# Altium PCB MB.PcbDoc
Units mm, origin at the board's own origin, x right, y up, seen from the top; angles counter-clockwise.
Board outline 60.08 x 55.27 mm, 2 copper layers (Top Layer, Bottom Layer); 46 components, 39 nets, 147 pads, 82 vias.
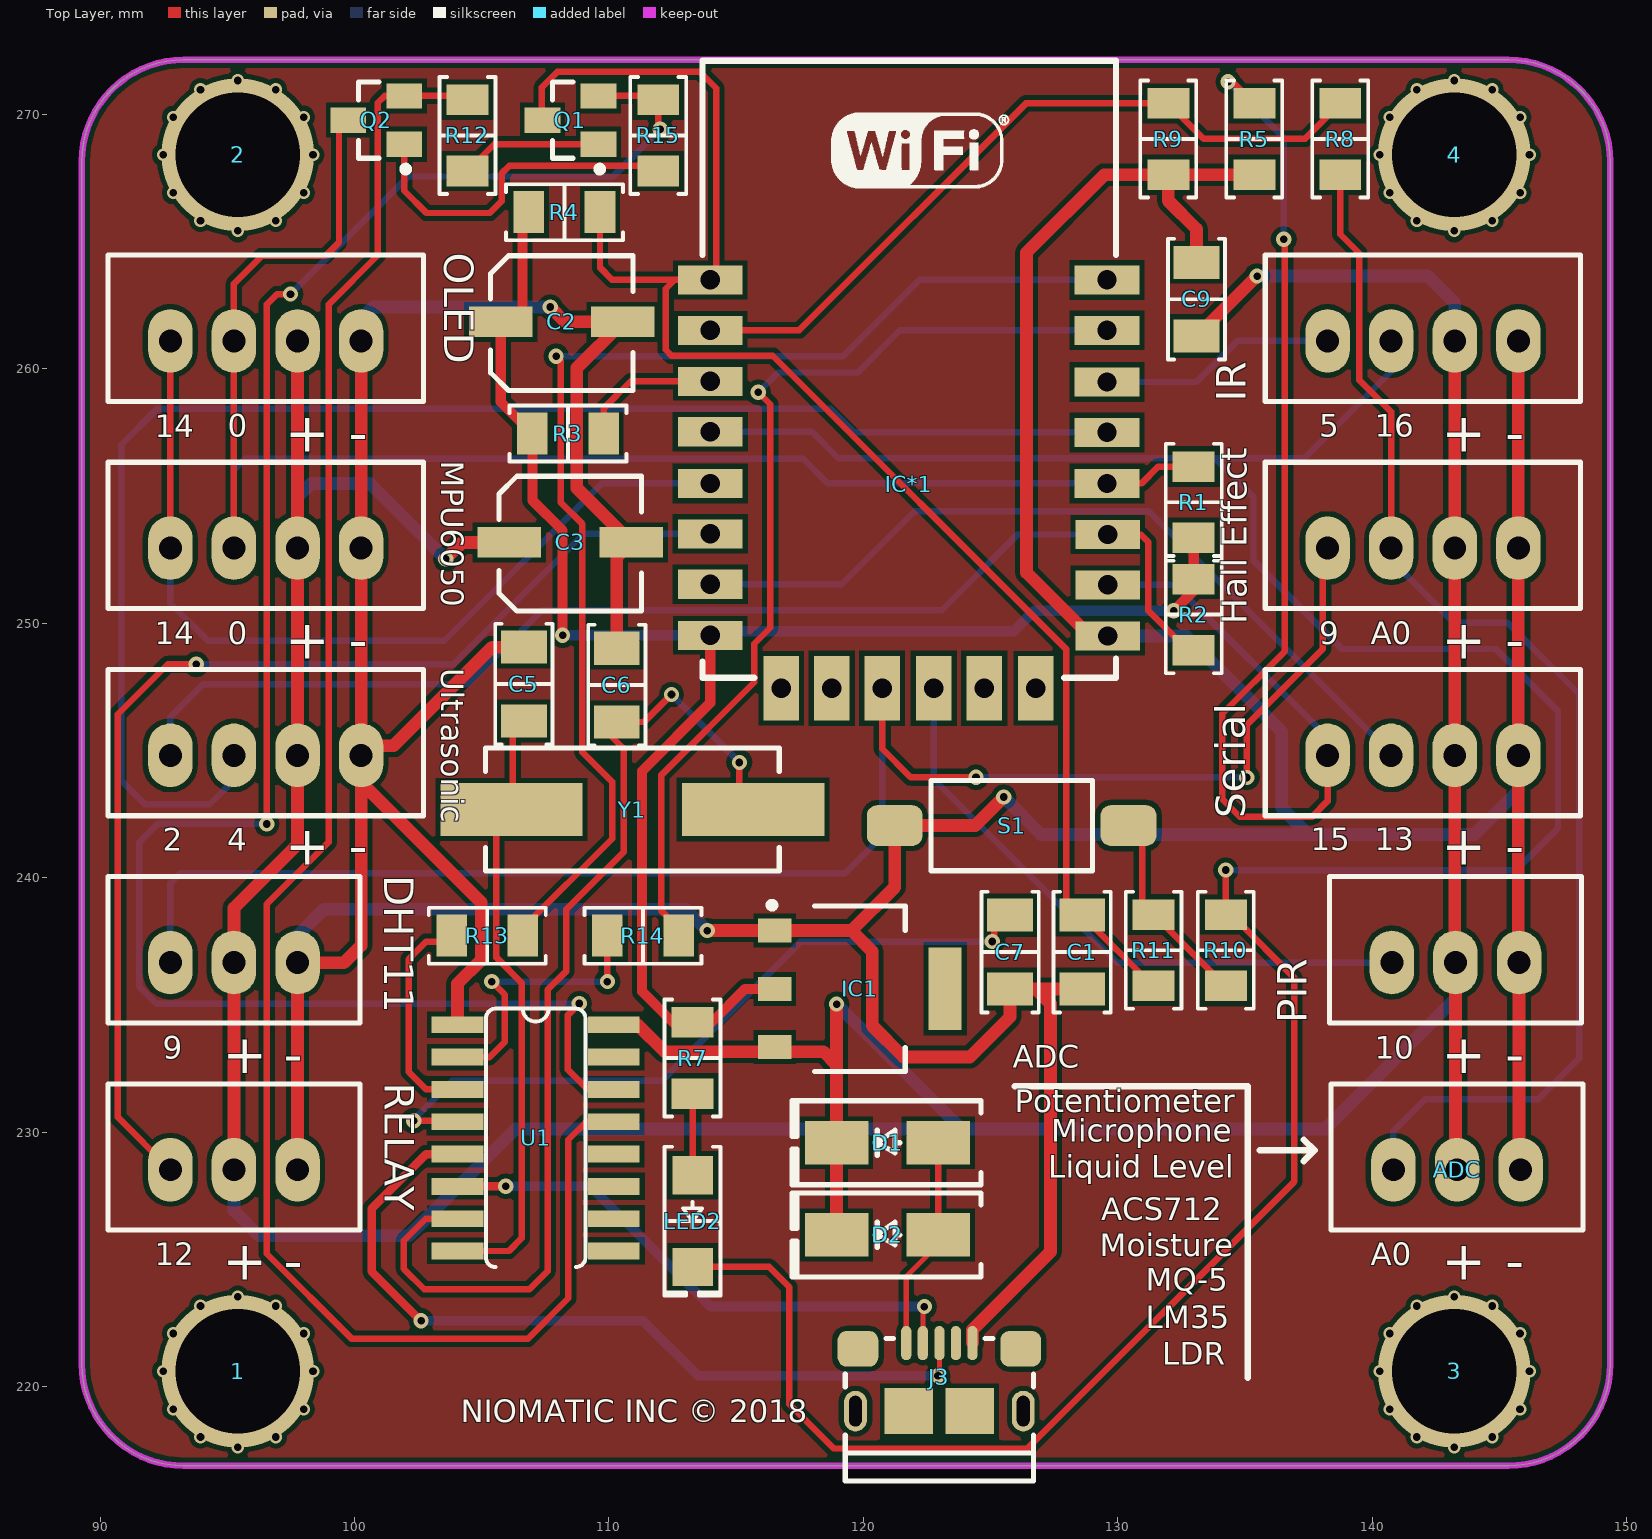
[diagram p0: Top Layer view]
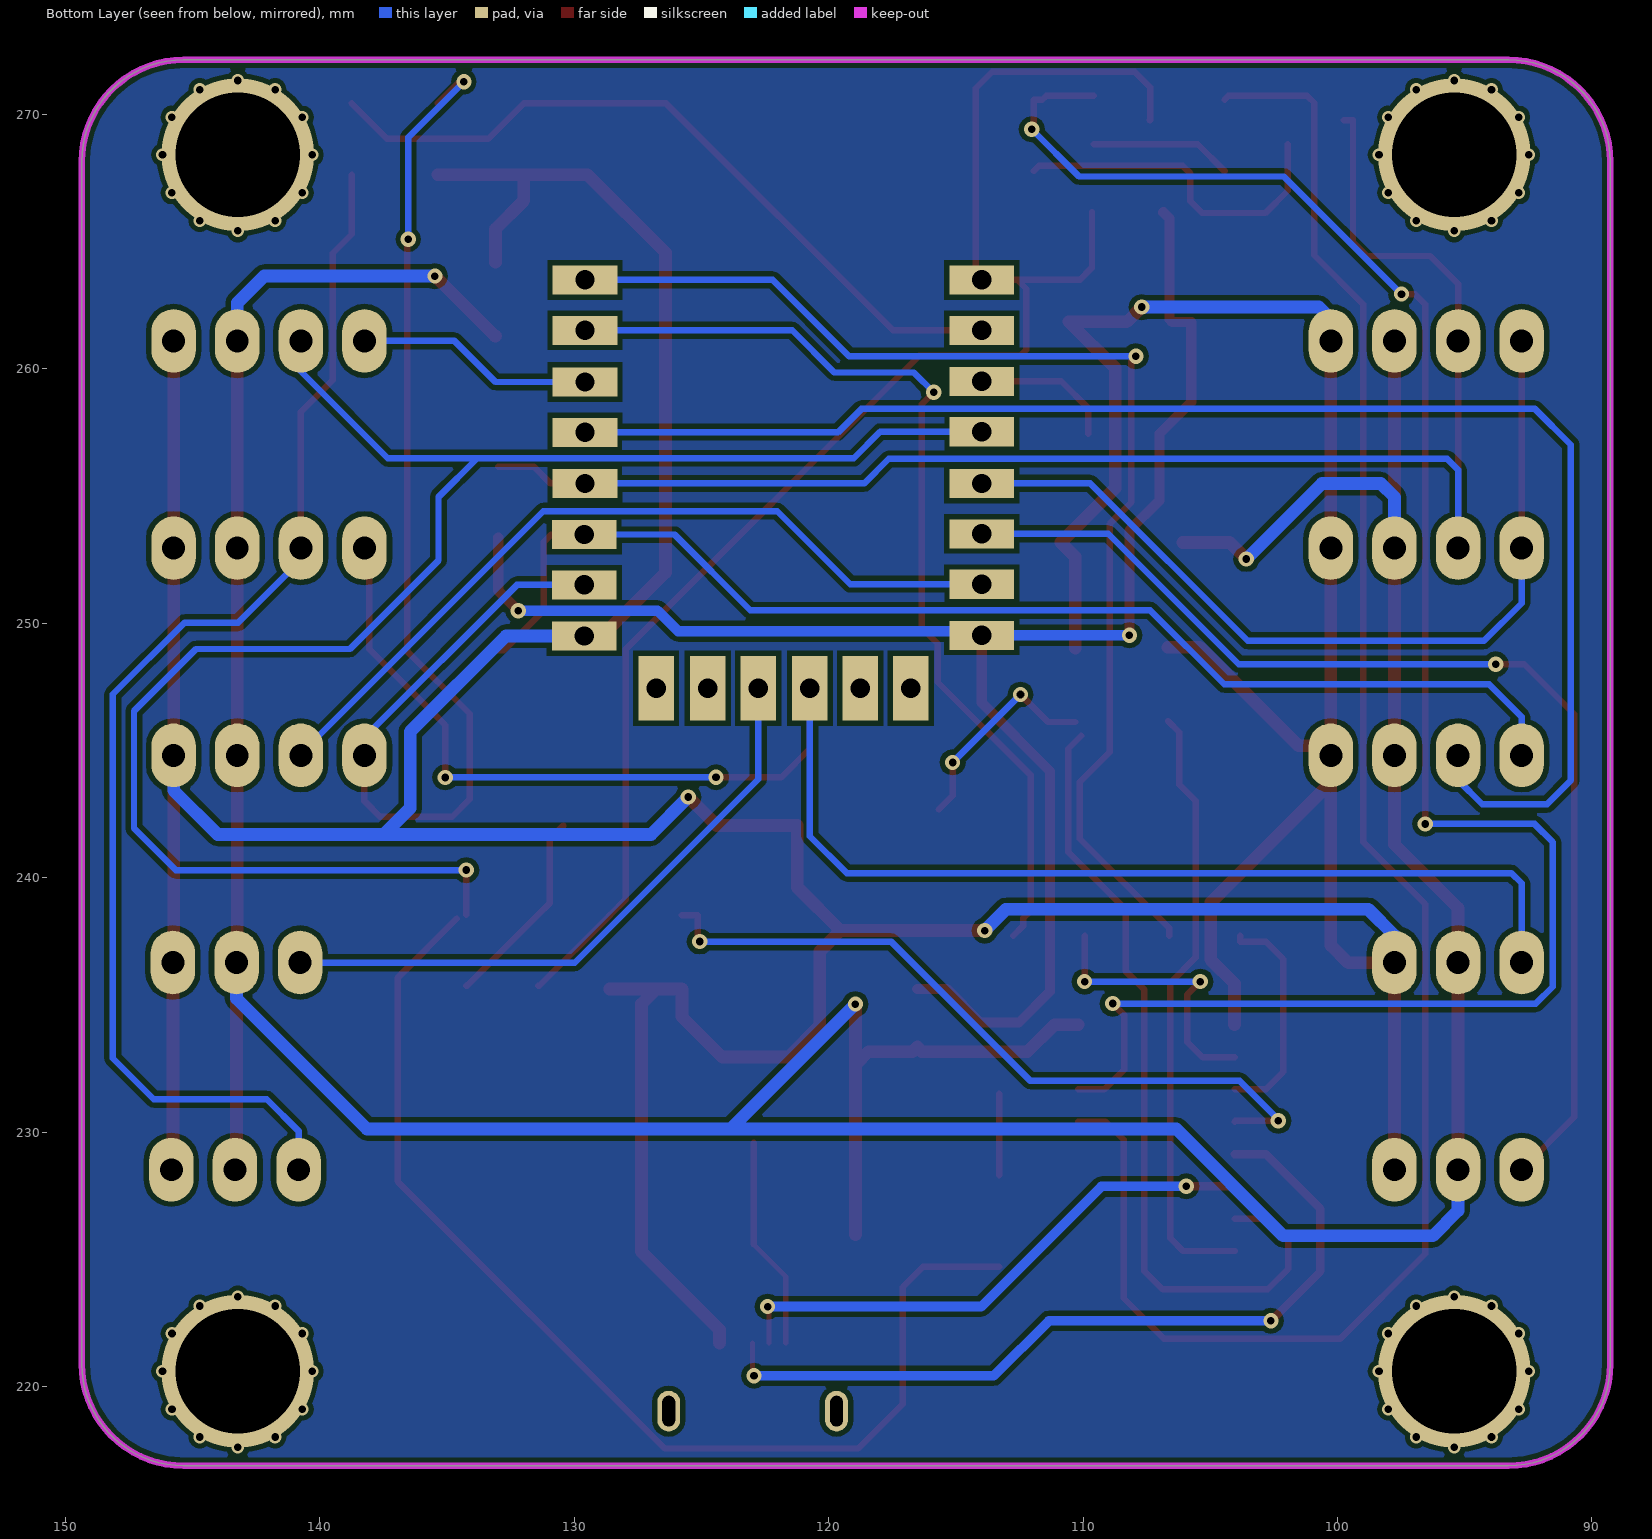
[diagram p1: Bottom Layer view, seen from below]
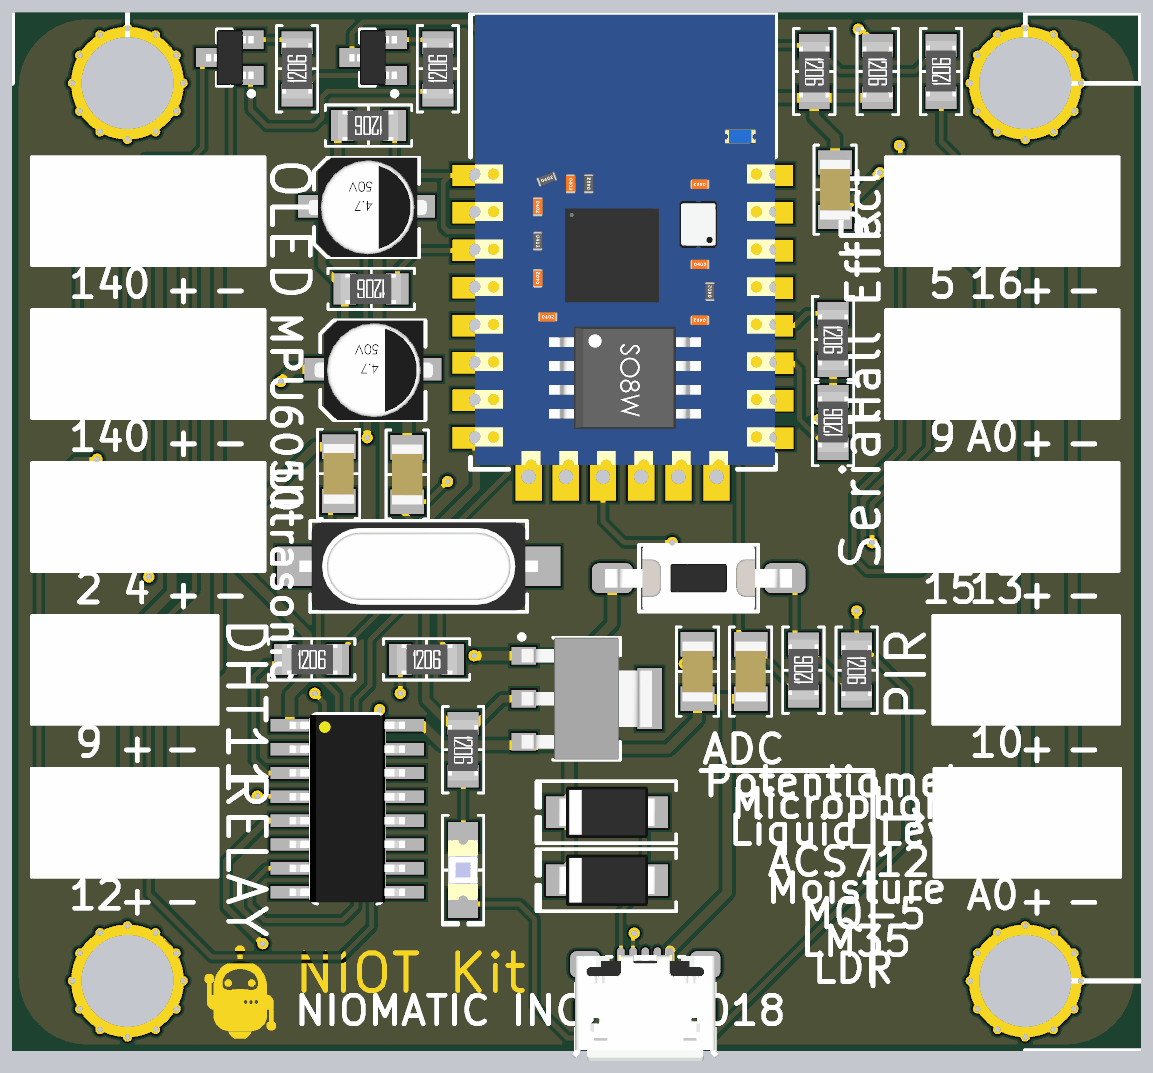
[diagram p2: 3D render of the assembled board from above, using the file's embedded part models]

## Layer stack, top to bottom
Top Solder: solder mask 0.0102, Solder Resist, Dk 3.5
Top Layer: signal copper 0.0356
Dielectric 1: dielectric 0.32, FR-4, Dk 4.8
Bottom Layer: signal copper 0.0356
Bottom Solder: solder mask 0.0102, Solder Resist, Dk 3.5

## Board outline
89.281,220.88 89.281,268.15 cw(c93.281,268.15) 93.281,272.15 145.36,272.15 cw(c145.36,268.15) 149.36,268.15 149.36,220.88 cw(c145.36,220.88) 145.36,216.88 93.281,216.88 cw(c93.281,220.88)

## Design rules (kind name [scope] priority, off if disabled: settings)
Clearance [All] p1: gap=0.2 ignorepadtopadclearanceinfootprint=FALSE
DiffPairsRouting [All] p1: maxlimit=0.254 minlimit=0.254 mostfreqgap=0.254 toplayer_minwidth=0.381 toplayer_maxwidth=0.381 toplayer_prefwidth=0.381 bottomlayer_minwidth=0.381 bottomlayer_maxwidth=0.381 bottomlayer_prefwidth=0.381 maxuncoupledlength=12.7
PolygonConnect [All] p1: connectstyle=Relief reliefconductorwidth=0.254 reliefentries=4 polygonreliefangle="90 Angle" airgapwidth=0.254
RoomDefinition MB [InComponentClass('MB')] p1: confinementstyle=ConfineIn formatcopy=TRUE lockcomponents=FALSE outline 124.943,58.154 144.247,58.154 144.247,75.807 124.943,75.807
RoutingVias [All] p1: holewidth=0.3 width=0.6 viastyle="Through Hole" minholewidth=0.3 minwidth=0.6 maxholewidth=0.3 maxwidth=0.6
SMDNeckDown [All] p1: percent=50.000
SolderMaskExpansion [All] p1: expansion=0.102
UnConnectedPin [All] p1:
UnRoutedNet [All] p1: checkbadconnections=TRUE
Width [InNet('GND')] p1: maxlimit=0.3 minlimit=0.3 preferedwidth=0.3
Width Width_1 [InNet('VDD5V')] p2: maxlimit=0.3 minlimit=0.3 preferedwidth=0.3
Width Width_2 [InNet('VDD3V3')] p3: maxlimit=0.3 minlimit=0.3 preferedwidth=0.3
Width Width_3 [InNet('No Net')] p4: maxlimit=0.2 minlimit=0.2 preferedwidth=0.2
28 further rules are at their usual default settings.

## Classes and differential pairs
differential pair D: +D_P -D_N

## Components (designator, comment, footprint, x,y, rotation, side; value= is the part's Value field where it differs from the comment)
1 "Lego" "Lego Hole" 95.41,220.6 r90 top
2 "Lego" "Lego Hole" 95.41,268.417 r90 top
3 "Lego" "Lego Hole" 143.23,220.6 r90 top
4 "Lego" "Lego Hole" 143.23,268.417 r90 top
ADC "ADC" "JST XH B3B-XH-A" 143.342,228.52 r180 top
C1 "470pF" "CAP 1206/3216" 128.605,237.075 r90 top value=0.1uF
C2 "100uF" "CAP ALUM 5MM" 107.95,261.85 r0 top value=10uF
C3 "10uF" "CAP ALUM 5MM" 108.28,253.18 r0 top
C5 "22pF" "CAP 1206/3216" 106.66,247.61 r270 top value=0.1uF
C6 "22pF" "CAP 1206/3216" 110.31,247.57 r270 top value=0.1uF
C7 "100nF" "CAP 1206/3216" 125.77,237.075 r90 top value=0.1uF
C9 "100nF" "CAP 1206/3216" 133.1,262.74 r270 top value=0.1uF
D1 "1N5819/SS14/S4" "DO214AC SMA" 120.95,229.58 r180 top
D2 "1N4007/M7(DO-214AC)" "DO214AC SMA" 120.95,225.96 r180 top
DHT11 "DHT11" "JST XH B3B-XH-A" 95.26,236.665 r180 top
"Hall Effect" "Hall" "JST XH B4B-XH-A" 142.002,252.955 r180 top (schematic designator Hall)
IC1 "AMS1117 - 3.3V" AMS1117 119.87,235.63 r0 top
IC*1 "ESP8266 ESP-12-E" "ESP8266 ESP-12-E" 130.57,247.09 r0 top
IR "IR" "JST XH B4B-XH-A" 142.002,261.1 r180 top
J3 "USB Micro" "FCI USB 10118193-0001LF" 122.99,219.08 r180 top
LED2 "RED" "LED 1206/3216 BLUE" 113.29,226.5 r270 top value=Green
MPU6050 "MPU6050" "JST XH B4B-XH-A" 96.51,252.955 r180 top
OLED "OLED" "JST XH B4B-XH-A" 96.51,261.1 r180 top
PIR "PIR" "JST XH B3B-XH-A" 143.28,236.665 r180 top
Q1 "S8050" SOT23 108.49,269.78 r180 top
Q2 "S8050" SOT23 100.86,269.78 r180 top
R1 "12K" "RES 1206/3216" 132.99,254.76 r270 top value=1K
R2 "12K" "RES 1206/3216" 132.99,250.34 r90 top value=1K
R3 "12K" "RES 1206/3216" 108.39,257.46 r180 top value=1K
R4 "12K" "RES 1206/3216" 108.25,266.16 r180 top value=1K
R5 "12K" "RES 1206/3216" 135.37,269.035 r270 top value=1K
R7 "470R" "RES 1206/3216" 113.29,232.91 r270 top value=1K
R8 "220K (1%)" "RES 1206/3216" 138.75,269.035 r90 top value=1K
R9 "100K  (1%)" "RES 1206/3216" 131.99,269.035 r270 top value=1K
R10 "0(NC)" "RES 1206/3216" 134.25,237.15 r270 top value=1K
R11 "470R" "RES 1206/3216" 131.415,237.15 r90 top value=1K
R12 "12K" "RES 1206/3216" 104.44,269.18 r90 top value=1K
R13 "470R" "RES 1206/3216" 105.22,237.72 r0 top value=1K
R14 "470R" "RES 1206/3216" 111.34,237.72 r0 top value=1K
R15 "12K" "RES 1206/3216" 111.94,269.18 r90 top value=1K
RELAY "RELAY" "JST XH B3B-XH-A" 95.26,228.52 r180 top
S1 "But 2 PIN" "TE FSMSMTR" 125.83,242.05 r270 top
Serial "Serial" "JST XH B4B-XH-A" 142.002,244.81 r180 top
U1 "CH340" SO16 107.12,229.77 r270 top
Ultrasonic "Ultrasonic" "JST XH B4B-XH-A" 96.51,244.81 r180 top
Y1 "12Mhz" xtal 110.92,242.68 r0 top

## Footprints (in the part's own frame and the unit in brackets; to place one, negate y for a bottom-side part, rotate by r counter-clockwise, add the part's x,y. Pads: shape width x height; smd on the part's side, far side on the other; paste and mask are expansions set on the pad)
AMS1117 [mm]
  rect 1.3x0.95 smd: 1(-3.35,2.29) 2(-3.35,0) 3(-3.35,-2.29)
  rect 1.3x3.25 smd: ""(3.35,0)
  silkscreen extent -3.58,-3.25 1.78,3.41, body extent -3.47,-3.25 3.47,3.25, height 1.64
"CAP 1206/3216" [mm] "Chip Capacitor, 2-Leads, Body 3.25x1.60mm, IPC Medium Density"
  rect 1.3x1.8 smd: 1(-1.45,0) 2(1.45,0)
  silkscreen extent -2.37,-1.12 2.38,1.12, body extent -1.6,-0.81 1.6,0.81, height 1.62
"CAP ALUM 5MM" [mm] "Aluminum Electrolytic Capacitor, Body 6.60x6.60x7.70mm, IPC Low Density"
  rect 2.5x1.2 smd: 1(-2.2,0) 2(2.6,0)
  silkscreen extent -2.6,-2.7 3,2.6, body extent -2.9,-2.7 3.4,2.6, height 5.7
"DO214AC SMA" [mm] "Molded Diode, 2-Leads, Body 4.30x2.60mm, IPC Medium Density"
  rect 2.5x1.7 smd: 1(-2,0) 2(2,0)
  silkscreen extent -3.68,-1.65 3.75,1.65, body extent -2.6,-1.37 2.6,1.37, height 2.4
"ESP8266 ESP-12-E" [mil] "ESP8266 ESP-12-E"
  rect 100x45 hole 30: 1(-653,646) 2(-653,568) 3(-653,489) 4(-653,411) 5(-653,331) 6(-653,253) 7(-653,175) 8(-653,96) 15(-38,95) 16(-38,174) 17(-38,252) 18(-39,331) 19(-39,410) 20(-39,488) 21(-39,568) 22(-39,646)
  rect 55x100 hole 30: 9(-543,14) 10(-465,14) 11(-387,14) 12(-307,14) 13(-229,14) 14(-149,14)
  silkscreen extent -665,30 -25,985, body extent -656,39 -26,983
"FCI USB 10118193-0001LF" [mm] "USB 2.0 Type B Micro"
  oval 0.4x1.35 smd: 1(1.3,-2.625) 2(0.65,-2.625) 3(0,-2.625) 4(-0.65,-2.625) 5(-1.3,-2.625)
  oval 0.9x1.6 hole 0.5 slot 1.2 at 90 deg: S(-3.3,0.05) S(3.3,0.05)
  rrect50% 1.6x1.4 smd: S(-3.2,-2.4) S(3.2,-2.4)
  rect 1.9x1.8 smd: S(-1.2,0.05) S(1.2,0.05)
  silkscreen extent -3.7,-2.8 3.7,2.8, body extent -3.93,-2.9 3.93,2.76, height 2.78
"JST XH B3B-XH-A" [mm]
  oval 1.75x2.5 hole 0.9: 1(-2.5,0) 2(0,0) 3(2.5,0)
  silkscreen extent -4.95,-3.38 4.95,2.38, body extent -4.95,-3.38 4.95,2.38, height 7
"JST XH B4B-XH-A" [mm]
  oval 1.75x2.5 hole 0.9: 1(-3.75,0) 2(-1.25,0) 3(1.25,0) 4(3.75,0)
  silkscreen extent -6.2,-3.38 6.2,2.38, body extent -6.2,-3.38 6.2,2.38, height 7
"LED 1206/3216 BLUE" [mm] "Chip Diode, 2-Leads, Body 3.13x1.55mm, IPC Medium Density"
  rect 1.5x1.6 smd: 1(-1.8,0) 2(1.8,0)
  silkscreen extent -2.92,-1.1 2.92,1.1, body extent -1.6,-0.8 1.6,0.8, height 0.9
"Lego Hole" [mm]
"RES 1206/3216" [mm] "Chip Resistor, 2-Leads, Body 3.13x1.55mm, IPC Medium Density"
  rect 1.2x1.65 smd: 1(-1.4,0) 2(1.4,0)
  silkscreen extent -2.3,-1.1 2.3,1.1, body extent -1.57,-0.8 1.62,0.8, height 0.6
SO16 [mil]
  rect 26x80 smd: 1(-175,-121) 2(-125,-121) 3(-75,-121) 4(-25,-121) 5(25,-121) 6(75,-121) 7(125,-121) 8(175,-121) 9(175,121) 10(125,121) 11(75,121) 12(25,121) 13(-25,121) 14(-75,121) 15(-125,121) 16(-175,121)
  silkscreen extent -200,-77 200,77, body extent -196,-121 196,121, height 70
SOT23 [mm]
  rect 1.4x1 smd: B(-1.1,0.95) C(1.1,0) E(-1.1,-0.95)
  silkscreen extent -1.27,-1.5 0.7,2.05, body extent -1.27,-1.46 1.27,1.46, height 1
"TE FSMSMTR" [mm]
  rrect50% 1.6x2.19 smd: 1(0,4.595) 2(0,-4.595)
  silkscreen extent -1.78,-3.17 1.78,3.18, body extent -1.75,-4.98 1.75,4.98, height 4.42
xtal [mm] "Crystal, 2-Leads, Body 4.70x11.40mm, Pitch 8.80mm, IPC Medium Density"
  rect 5.6x2.1 smd: 1(-4.75,0) 2(4.75,0)
  silkscreen extent -5.77,-2.43 5.77,2.43, body extent -6.35,-2.35 6.35,2.35, height 4.2

## Part data
ADC DHT11 PIR RELAY: library part "3 Pin"
C1 C5 C6 C7 C9: library part Capacitor, "SMT Capacitor"
C2 C3: library part "Polarised Capacitor", "SMT Polarised Capacitor"
D1 D2: library part Diode, "Rectifier Diode"
"Hall Effect" IR MPU6050 OLED Serial Ultrasonic: library part "4 Pin"
IC1: library part AMS1117, Manufacturer_Name="Advanced Monolithic Systems", Manufacturer_Part_Number=ams1117-3.3v, Package=SOT229P700X180-4N, DeviceSetName=AMS1117-3.3V, GateName_1=G$1, Height=1.8mm, LibraryName=ams1117-3.3v, Supplier_Name=RS, SymbolName_1=AMS1117-3.3V
J3: library part "USB 2.0 Type B Micro"
LED2: library part LED, "Chip LED"
Q1 Q2: library part 2N2222, "NPN", De="Seyed Mohsen Ghasemian", E-mail=picpars@gmail.com, web=www.picpars.com
R1 R2 R3 R4 R5 R7 R8 R9 R10 R11 R12 R13 R14 R15: library part Resistor, "SMT Resistor"
U1: Package=None, Availability=Bad, MF="Eaton / Cutler Hammer", MP=CH340, Price="223.47 USD"
Y1: library part xtal, "SMT Crystal"

## Via types
v1: diameter 0.5, hole 0.3, Top Layer to Bottom Layer, 48 vias
v2: diameter 0.6, hole 0.3, Top Layer to Bottom Layer, 30 vias
v3: diameter 6, hole 4.9, Top Layer to Bottom Layer, 4 vias

## Nets (pads, with @x,y where several pads share a name; then routed paths per layer and width w, separated by ;. In a path a pad name is that pad's centre, name@x,y a point inside that pad or via, vN(x,y) a via of type N, cw(c..) or ccw(c..) an arc to the next point about the centre after c; other vN are vias at no path point)
ADC: IC*1.2 R8.2 R9.1 | length 29.6
  Top Layer w0.254: IC*1.2 117.475,261.517 126.393,270.435 R9.1 133.375,269.05 137.365,269.05 R8.2
ADC_EX: "Hall Effect.3" ADC.3 R8.1 | length 49.9
  Top Layer w0.254: R8.1 138.75,265.297 139.497,264.55 139.497,259.563 140.752,258.308 ; 140.752,252.955 140.752,258.308 ; 140.752,258.318 140.752,258.308
  Bottom Layer w0.254: 140.752,252.955 140.752,252.488 143.21,250.03 145.32,250.03 148.14,247.21 148.14,232.9 146.53,231.29 142.09,231.29 140.842,230.042 ADC.3
D_N: J3.2 U1.6 | length 21.8
  Top Layer w0.2: J3.2 v2@122.34,223.076
  Top Layer w0.33: U1.6 v2(105.943,227.865)
  Top Layer w0.381: v2@122.34,223.076 v2(122.403,223.139)
  Bottom Layer w0.381: v2(105.943,227.865) 109.275,227.865 114.001,223.139 v2(122.403,223.139)
D_P: J3.3 U1.5 | length 32
  Top Layer w0.2: v2(122.936,220.421) 122.99,220.475 J3.3
  Top Layer w0.33: v2(102.616,222.58) 100.67,224.526 100.67,226.986 102.819,229.135 U1.5
  Bottom Layer w0.381: v2(102.616,222.58) 111.35,222.58 113.509,220.421 v2(122.936,220.421)
EN: IC*1.3 R3.1 | length 5.6
  Top Layer w0.254: R3.1 109.79,258.445 110.856,259.511 IC*1.3
GND: "Hall Effect.1" ADC.1 C1.1 C2.2 C3.2 C5.1 C6.1 C7.1 C9.1 DHT11.1 IC1.1 IC*1.15 IR.1 J3.5 MPU6050.1 OLED.1 PIR.1 R5.2 R9.2 RELAY.1 S1.2 Serial.1 U1.1 Ultrasonic.1 | length 243.4
  Top Layer w0.3: 100.26,243.55 100.26,243.75 Ultrasonic.1
  Top Layer w0.5: RELAY.1 DHT11.1@97.76,236.652 ; DHT11.1 DHT11.1@97.76,236.652 ; 100.26,243.55 100.26,237.338 99.574,236.652 DHT11.1@97.76,236.652 ; Ultrasonic.1@100.26,243.75 104.98,239.03 104.98,236.769 104.047,235.835 U1.1 ; Ultrasonic.1 Ultrasonic.1@100.26,245.186 ; OLED.1 MPU6050.1 Ultrasonic.1@100.26,245.186 ; C5.1 105.41,249.06 101.536,245.186 Ultrasonic.1@100.26,245.186 ; v2(107.696,262.433) 108.279,261.85 C2.2 108.737,260.037 108.737,255.323 C3.2 110.31,252.61 C6.1 ; v2(113.866,237.92) IC1.1 119.531,237.92 ; J3.5 124.29,222.23 127.356,225.296 127.356,235.041 126.771,235.625 ; v2(125.52,243.17) 124.4,242.05 S1.2 121.235,239.624 119.531,237.92 ; C1.1 126.771,235.625 ; IC*1.15 128.907,249.503 126.42,251.99 126.42,264.57 129.485,267.635 R9.2 ; C9.1 133.1,265.5 131.99,266.61 R9.2 ; R5.2 R9.2 ; IR.1 145.752,252.955 Serial.1 145.752,236.693 PIR.1 145.78,228.582 ADC.1 ; 119.531,237.92 120.35,237.101 120.35,234.18 121.58,232.95 124.19,232.95 125.77,234.53 C7.1 126.771,235.625
  Bottom Layer w0.5: DHT11.1 97.76,237.73 98.79,238.76 113.027,238.76 v2(113.866,237.92) ; OLED.1 100.26,261.96 100.733,262.433 v2(107.696,262.433) ; v2(125.52,243.17) 126.99,241.7 137.49,241.7 ; IC*1.15 132.687,249.503 136.45,245.74 136.45,242.74 137.49,241.7 ; Serial.1 145.752,243.434 144.018,241.7 137.49,241.7
GPIO0: IC*1.18 MPU6050.3 OLED.3 Q2.C R1.1 | length 62
  Top Layer w0.254: MPU6050.3 OLED.3 95.26,263.347 96.352,264.439 98.857,264.439 99.39,264.973 99.39,269.78 Q2.C ; IC*1.18 130.937,255.497 131.6,256.16 R1.1
  Bottom Layer w0.254: MPU6050.3 95.26,256.032 95.692,256.464 117.636,256.464 118.603,255.497 IC*1.18
GPIO2: IC*1.17 R2.1 Ultrasonic.4 | length 48.2
  Top Layer w0.254: IC*1.17 130.907,253.491 131.211,253.187 131.211,250.495 132.766,248.94 R2.1
  Bottom Layer w0.254: Ultrasonic.4 92.76,246.32 94.04,247.6 104.456,247.6 107.366,250.51 123.079,250.51 126.06,253.491 IC*1.17
GPIO4: IC*1.19 Ultrasonic.3 | length 59.1
  Bottom Layer w0.254: Ultrasonic.3 95.26,243.84 94.31,242.89 91.76,242.89 90.83,243.82 90.83,257.022 92.236,258.428 118.712,258.428 119.636,257.504 IC*1.19
GPIO5: IC*1.20 IR.4 | length 9.3
  Bottom Layer w0.254: IC*1.20 133.096,259.485 134.711,261.1 IR.4
GPIO9: "Hall Effect.4" DHT11.3 IC*1.11 | length 65.2
  Top Layer w0.254: IC*1.11 120.74,245.07 121.86,243.95 v2(124.43,243.95) ; v2(135.07,243.94) 135.07,246 138.07,249 138.07,252.773 138.252,252.955
  Bottom Layer w0.254: DHT11.3 92.76,239.776 93.166,240.182 119.29,240.182 120.74,241.633 IC*1.11 ; v2(124.43,243.95) 135.06,243.95 v2(135.07,243.94)
GPIO10: IC*1.12 PIR.3 | length 24.6
  Bottom Layer w0.254: IC*1.12 122.772,243.865 129.986,236.652 140.78,236.652 PIR.3
GPIO12: IC*1.6 RELAY.3 | length 45
  Top Layer w0.254: RELAY.3 90.69,230.59 90.69,246.42 92.66,248.39 v2(93.78,248.39)
  Bottom Layer w0.254: v2(93.78,248.39) 103.88,248.39 109.006,253.516 IC*1.6
GPIO13: IC*1.7 Serial.3 | length 32
  Bottom Layer w0.254: IC*1.7 119.151,251.535 122.023,254.406 131.216,254.406 140.752,244.871 Serial.3
GPIO14: IC*1.5 MPU6050.4 OLED.4 | length 34.7
  Top Layer w0.254: MPU6050.4 OLED.4
  Bottom Layer w0.254: MPU6050.4 92.76,250.79 94.24,249.31 103.53,249.31 109.717,255.497 IC*1.5
GPIO15: IC*1.16 R5.1 Serial.4 | length 49.8
  Top Layer w0.254: v2(134.34,271.29) 134.515,271.29 R5.1 ; v2@136.576,265.1 136.576,248.906 134.11,246.44 134.11,243.09 134.8,242.4 137.64,242.4 138.252,243.012 Serial.4
  Bottom Layer w0.254: IC*1.16 132.258,251.51 138.252,245.516 Serial.4 ; v2(134.34,271.29) 136.53,269.1 v2(136.53,265.1)
GPIO16: IC*1.4 IR.3 LED2.2 R10.1 | length 113.9
  Top Layer w0.254: LED2.2 116.297,224.7 117.09,223.907 117.09,219.308 118.838,217.56 126.45,217.56 136.95,228.06 136.95,236.06 R10.1@134.63,238.38 ; R10.1 v2(134.25,240.3)
  Bottom Layer w0.254: IC*1.4 117.981,257.529 119.021,256.489 133.82,256.489 ; v2(134.25,240.3) 145.67,240.3 147.31,241.94 147.31,246.55 144.87,248.99 138.82,248.99 135.34,252.47 135.34,254.969 133.82,256.489 ; IR.3 140.752,259.912 137.329,256.489 133.82,256.489
NetC7_2: C7.2 U1.4 | length 29.1
  Top Layer w0.254: v2(102.324,230.44) 104.012,230.44 U1.4 ; v2(125.07,237.49) 125.146,237.566 125.146,238.525 C7.2
  Bottom Layer w0.254: v2(102.324,230.44) 102.324,230.492 103.842,232.01 112.07,232.01 117.55,237.49 v2(125.07,237.49)
NetLED2_1: LED2.1 R7.2 | length 3.2
  Top Layer w0.254: LED2.1 R7.2
NetQ1_B: Q1.B R12.1 | length 5.6
  Top Layer w0.254: R12.1 105.49,268.83 Q1.B
NetQ1_E: Q1.E R15.2 U1.14 | length 75.8
  Top Layer w0.254: v2(96.545,242.113) 96.545,262.534 96.952,262.941 v2(97.485,262.941) ; v2(108.839,235.052) 108.39,234.603 108.39,232.454 109.169,231.675 U1.14 ; Q1.E 111.45,270.73 111.6,270.58 R15.2 111.94,269.492 v2(112.014,269.418)
  Bottom Layer w0.254: v2(96.545,242.113) 92.253,242.113 91.542,241.402 91.542,235.712 92.202,235.052 v2(108.839,235.052) ; v2(97.485,262.941) 102.108,267.564 110.16,267.564 v2(112.014,269.418)
NetQ2_B: Q2.B R15.1 | length 13.7
  Top Layer w0.254: Q2.B 101.956,268.83 101.956,267.005 102.83,266.13 105.32,266.13 105.78,266.59 105.78,267.68 106.08,267.98 111.74,267.98 R15.1
NetQ2_E: Q2.E R12.2 U1.13 | length 73
  Top Layer w0.254: R12.2 104.29,270.73 Q2.E 101.185,270.73 100.914,270.459 100.914,264.465 98.984,262.534 98.984,241.402 96.545,238.963 96.545,225.222 99.898,221.869 106.81,221.869 108.407,223.466 108.407,229.694 109.118,230.405 U1.13
NetR10_2: R10.2 R11.2 S1.1 | length 7.9
  Top Layer w0.254: S1.1 130.96,241.515 130.96,239.005 R11.2 131.42,238.55 134.22,235.75 R10.2
NetR13_1: R13.1 U1.3 | length 8.8
  Top Layer w0.254: R13.1 103.82,237.49 102.819,237.49 102.13,236.801 102.13,232.364 102.819,231.675 U1.3
NetR14_1: R14.1 U1.2 | length 11
  Top Layer w0.254: U1.2 105.305,232.945 105.9,233.54 105.9,235.405 v2(105.39,235.915) ; v2(109.94,235.915) R14.1
  Bottom Layer w0.254: v2(105.39,235.915) v2(109.94,235.915)
nRST: C1.2 IC*1.1 Q1.C R4.1 R11.1 | length 61.4
  Top Layer w0.254: Q1.C 107.366,269.78 107.366,271.069 107.977,271.68 113.57,271.68 114.22,271.03 114.22,263.498 IC*1.1 112.573,263.498 ; R4.1 109.65,263.983 110.134,263.498 112.573,263.498 ; R11.1 131.375,235.75 128.613,238.512 128.626,238.525 C1.2 127.97,239.16 127.97,248.99 116.44,260.52 112.46,260.52 112.23,260.75 112.23,263.156 112.573,263.498
OTG_ID: J3.4
RXD0: IC*1.21 R14.2 | length 38.3
  Top Layer w0.254: R14.2 112.36,238.1 112.36,238.4 112.05,238.71 112.05,244.02 115.71,247.68 115.71,249.2 116.34,249.83 116.34,258.615 v2(115.875,259.08)
  Bottom Layer w0.254: v2(115.875,259.08) 116.655,259.86 119.78,259.86 121.437,261.517 IC*1.21
SPI_CLK: IC*1.14
SPI_INT: IC*1.13
SPI_MISO: IC*1.10
SPI_MOSI: IC*1.9
TXD0: IC*1.22 R13.2 | length 48
  Top Layer w0.254: R13.2 106.62,238.03 110.126,241.536 110.126,243.764 108.96,244.93 108.96,253.9 108.1,254.76 108.1,260.327 v2(107.925,260.502)
  Bottom Layer w0.254: v2(107.925,260.502) 119.202,260.502 122.198,263.498 IC*1.22
VDD3V3: C2.1 IC1.2 IC*1.8 R1.2 R2.2 R3.2 R4.2 R7.1 | length 67.5
  Top Layer w0.4: R4.2 106.6,265.91 106.6,261.94 106.51,261.85 C2.1 105.75,258.7 R3.2 106.99,254.84 108.18,253.65 v2(108.18,249.528) ; IC*1.8 113.984,246.874 111.3,244.19 111.3,235.53 112.52,234.31 R7.1 114.03,234.31 115.35,235.63 IC1.2 ; v2(132.207,250.495) 132.99,251.278 R2.2 R1.2
  Bottom Layer w0.4: v2(108.18,249.528) IC*1.8 114.145,249.69 125.92,249.69 126.725,250.495 v2(132.207,250.495)
VDD5V: "Hall Effect.2" ADC.2 C3.1 C9.2 D1.2 D2.2 DHT11.2 IC1.3 IR.2 MPU6050.2 OLED.2 PIR.2 RELAY.2 Serial.2 U1.16 Ultrasonic.2 | length 172.2
  Top Layer w0.5: RELAY.2 DHT11.2 95.26,238.811 97.76,241.311 Ultrasonic.2 MPU6050.2 OLED.2 ; v2(103.581,252.527) 104.234,253.18 C3.1 ; U1.16 111.135,234.215 112.19,233.16 116.34,233.16 IC1.3 116.7,233.16 118.43,233.16 118.95,232.64 ; D2.2 D1.2 118.95,232.64 ; v2(118.95,235.03) 118.95,232.64 ; C9.2 133.12,261.29 v2(135.48,263.65) ; IR.2 143.252,252.955 Serial.2 143.252,236.693 PIR.2 143.28,228.582 ADC.2
  Bottom Layer w0.5: RELAY.2 95.26,226.91 96.25,225.92 102.13,225.92 106.334,230.124 138.151,230.124 143.28,235.253 PIR.2 ; MPU6050.2 97.76,254.96 98.3,255.5 100.608,255.5 v2(103.581,252.527) ; v2(118.95,235.03) 123.845,230.135 ; v2(135.48,263.65) 142.19,263.65 143.252,262.588 IR.2
VDDUSB: D1.1 D2.1 J3.1 | length 8.4
  Top Layer w0.2: J3.1 121.69,224.32 D2.1@122.95,225.58
  Top Layer w0.254: D2.1@122.95,225.58 D2.1 D1.1
XI: C6.2 U1.7 Y1.2 | length 40.8
  Top Layer w0.254: U1.7 102.805,226.595 101.94,225.73 101.94,224.62 102.74,223.82 106.878,223.82 107.59,224.532 107.59,235.59 108.33,236.33 108.33,238.76 110.58,241.01 110.58,245.07 C6.2@110.07,245.58 ; C6.2 111.38,246.12 v2(112.46,247.2) ; v2(115.13,244.53) 115.13,243.22 Y1.2
  Bottom Layer w0.254: v2(112.46,247.2) v2(115.13,244.53)
XO: C5.2 U1.8 Y1.1 | length 23.9
  Top Layer w0.254: U1.8 106.07,225.325 106.578,225.833 106.578,235.862 105.58,236.86 105.58,243.02 106.22,243.66 106.22,245.72 C5.2
pads on no net: IC1. J3.S U1.9 U1.10 U1.11 U1.12 U1.15
copper on no net:
  other v1: 95.41,217.611 143.23,217.611 93.944,218.011 96.905,218.011 141.764,218.011 144.725,218.011 92.872,219.105 97.999,219.105 140.692,219.105 145.819,219.105 92.48,220.6 98.37,220.6 140.3,220.6 146.19,220.6 92.872,222.081 97.999,222.081 140.692,222.081 145.819,222.081 93.944,223.164 96.905,223.164 141.764,223.164 144.725,223.164 95.41,223.521 143.23,223.521 95.41,265.428 143.23,265.428 93.944,265.829 96.905,265.829 141.764,265.829 144.725,265.829 92.872,266.923 97.999,266.923 140.692,266.923 145.819,266.923 92.48,268.417 98.37,268.417 140.3,268.417 146.19,268.417 92.872,269.898 97.999,269.898 140.692,269.898 145.819,269.898 93.944,270.981 96.905,270.981 141.764,270.981 144.725,270.981 95.41,271.338 143.23,271.338
  other v3: 95.41,220.6 143.23,220.6 95.41,268.417 143.23,268.417

## Polygon pours and split planes (outlines as drawn)
no net on Top Layer "Top Layer-No Net" (solid, pour order 2): 89.281,220.88 89.281,268.15 cw(c93.281,268.15) 93.281,272.15 145.36,272.15 cw(c145.36,268.15) 149.36,268.15 149.36,220.88 cw(c145.36,220.88) 145.36,216.88 93.281,216.88 cw(c93.281,220.88)
no net on Bottom Layer "Top Layer-No Net1" (solid, pour order 3): 89.281,220.88 89.281,268.15 cw(c93.281,268.15) 93.281,272.15 145.36,272.15 cw(c145.36,268.15) 149.36,268.15 149.36,220.88 cw(c145.36,220.88) 145.36,216.88 93.281,216.88 cw(c93.281,220.88)

## Keep-outs
Keep-Out Layer:
  the board outline again, w0.254

## Silkscreen, mask and mechanical layers (free items; w line width, h text height)
Top Overlay:
  region: 200.59,260.19
  lines w0.254: 125.96,231.8 135.12,231.8 135.12,220.34 ; 135.59,229.28 137.74,229.28 ; 137.32,228.86 137.74,229.28 ; 137.32,229.7 137.74,229.28
  text "5" at 137.928,257.04 h1.52
  text "14" at 92.137,257.023 h1.52
  text "0" at 95.011,257.032 h1.52
  text "16" at 140.098,257.032 h1.52
  text "+" at 97.281,256.751 h1.52
  text "-" at 99.781,256.751 h1.52
  text "+" at 142.744,256.751 h1.52
  text "-" at 145.244,256.751 h1.52
  text "0" at 95.011,248.89 h1.52
  text "9" at 137.931,248.89 h1.52
  text "A0" at 139.949,248.89 h1.52
  text "14" at 92.137,248.882 h1.52
  text "+" at 97.281,248.61 h1.52
  text "-" at 99.781,248.61 h1.52
  text "+" at 142.744,248.61 h1.52
  text "-" at 145.244,248.61 h1.52
  text "15" at 137.595,240.78 h1.52
  text "13" at 140.098,240.78 h1.52
  text "2" at 92.463,240.772 h1.52
  text "4" at 94.992,240.774 h1.52
  text "+" at 97.281,240.5 h1.52
  text "-" at 99.781,240.5 h1.52
  text "+" at 142.744,240.5 h1.52
  text "-" at 145.244,240.5 h1.52
  text "9" at 92.468,232.59 h1.52
  text "10" at 140.1,232.59 h1.52
  text "+" at 94.822,232.31 h1.52
  text "-" at 97.224,232.31 h1.52
  text "+" at 142.744,232.31 h1.52
  text "-" at 145.244,232.31 h1.52
  text "ADC" at 125.88,232.23 h1.52
  text "Potentiometer" at 125.96,230.49 h1.52
  text "Microphone" at 127.395,229.327 h1.52
  text "Liquid Level" at 127.279,227.91 h1.52
  text "ACS712" at 129.356,226.238 h1.52
  text "Moisture" at 129.291,224.819 h1.52
  text "12" at 92.14,224.462 h1.52
  text "A0" at 139.949,224.47 h1.52
  text "+" at 94.822,224.19 h1.52
  text "-" at 97.224,224.19 h1.52
  text "+" at 142.744,224.19 h1.52
  text "-" at 145.244,224.19 h1.52
  text "MQ-5" at 131.111,223.462 h1.52
  text "LM35" at 131.107,221.985 h1.52
  text "LDR" at 131.757,220.55 h1.52
  text "NIOMATIC INC © 2018" at 104.17,218.299 h1.52
Top Solder:
  drawing of 379 lines, arcs and shapes, not listed
  text "NIOT Kit" at 104.17,220.079 h2

## Dimensions
143.23,220.6 to 145.36,216.88 on Top Overlay
143.23,268.417 to 145.36,272.15 on Top Overlay
95.41,268.417 to 89.281,268.15 on Top Overlay
143.23,268.417 to 149.36,268.15 on Top Overlay
143.23,268.417 to 143.23,220.6 on Top Overlay
95.41,268.417 to 143.23,268.417 on Top Overlay

## Text inside footprints (layer, text, board x,y; h text height)
IC*1: Mechanical 13 "ANTENNA AREA" at 113.985,271.489 h0.25; Mechanical 13 "CUTOUT POLYGON" at 113.985,270.981 h0.25